# Altium PCB Proto_Lolek.PcbDoc (part 1 of 2) (continued)
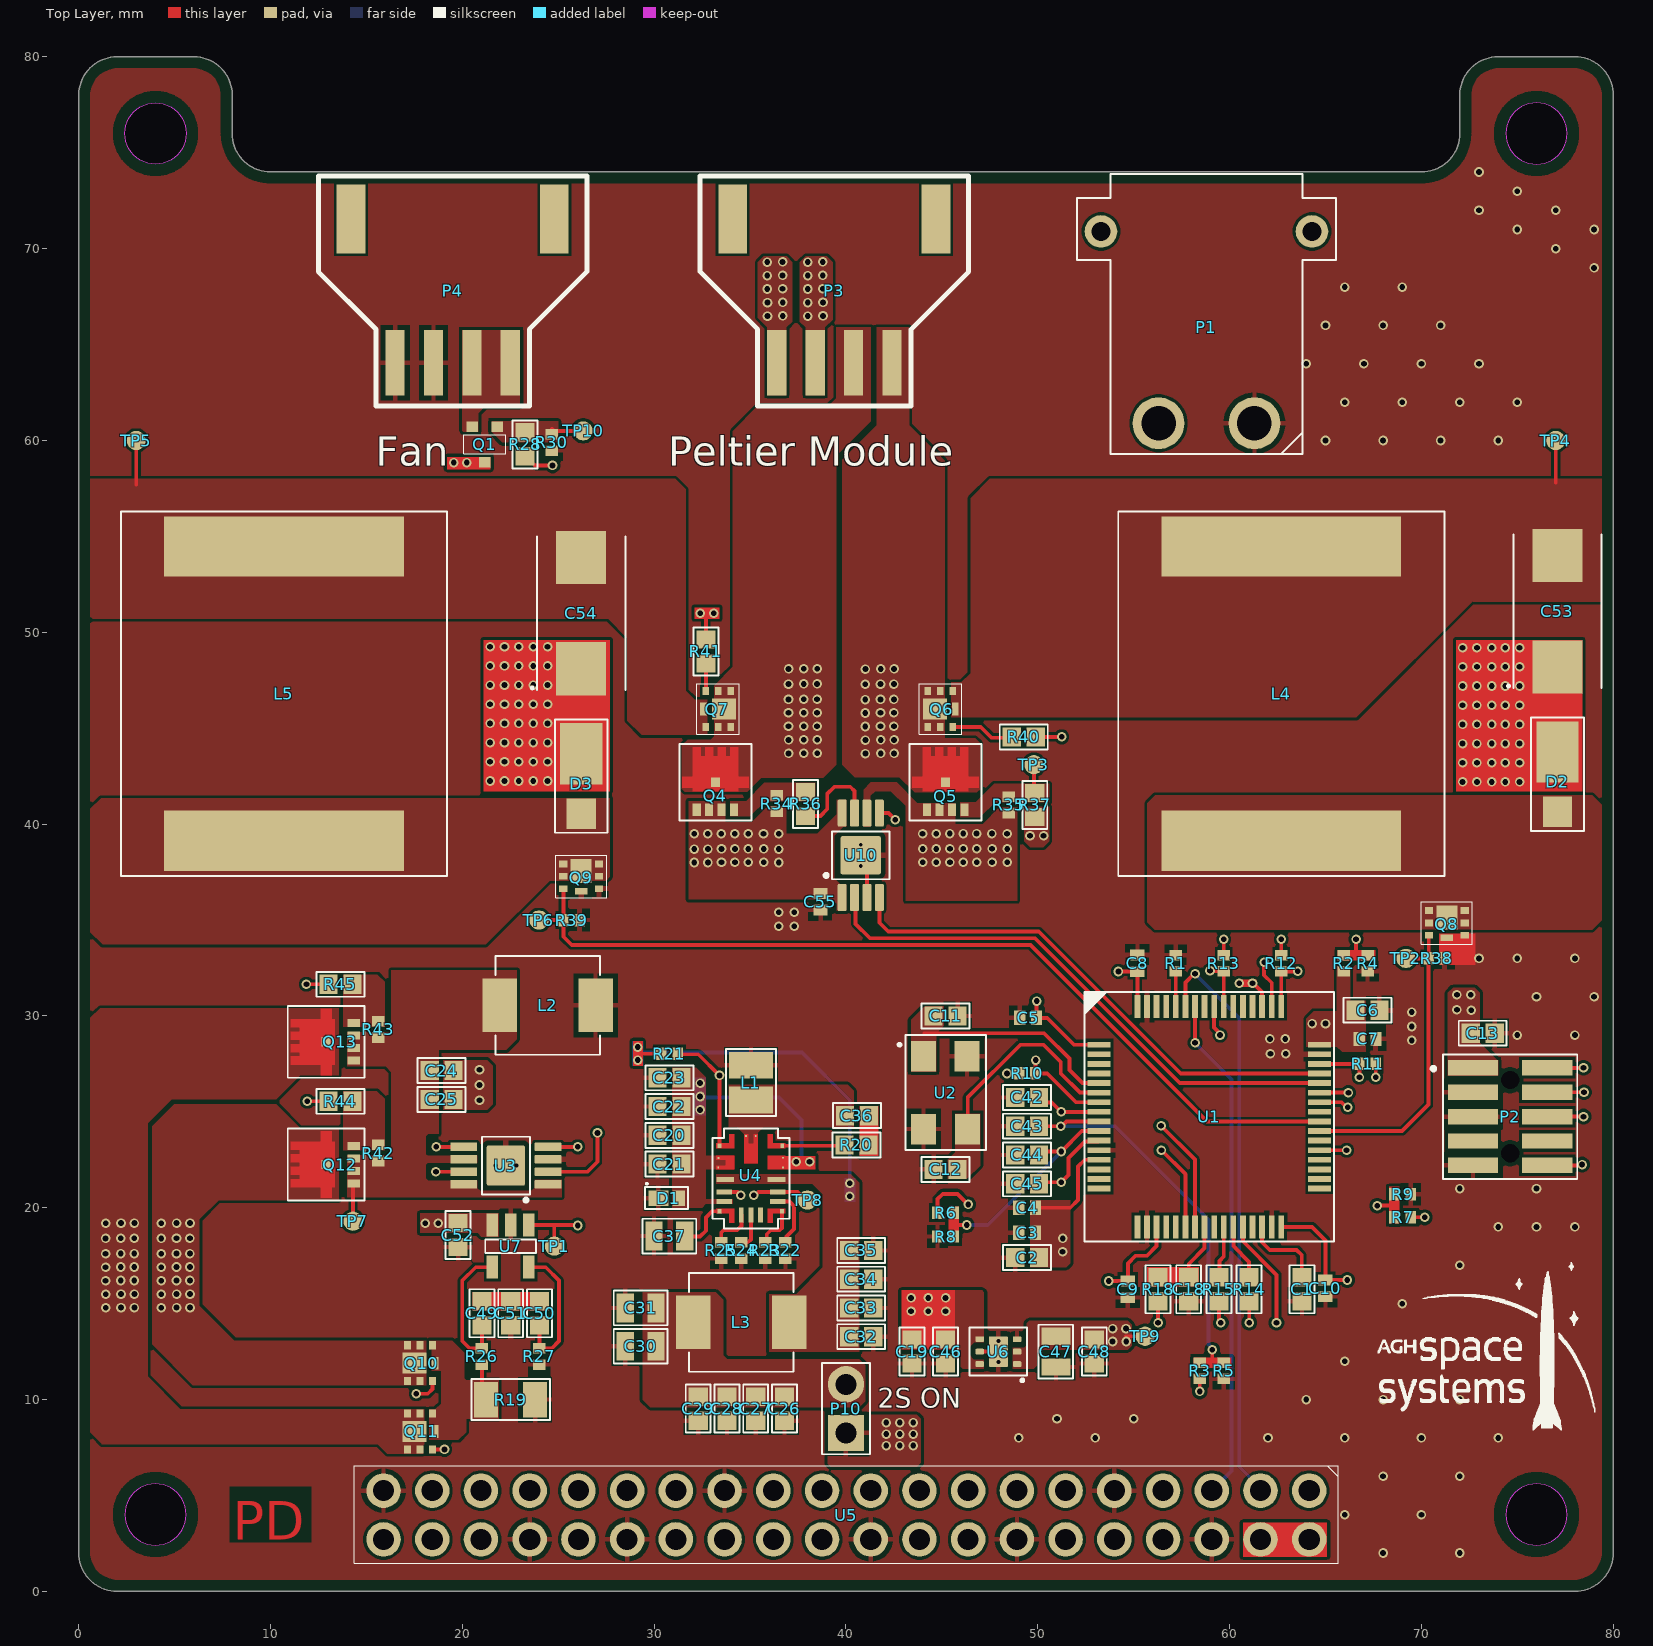
[diagram p0: Top Layer view]
## Design rules (kind name [scope] priority, off if disabled: settings)
AssemblyTestPointUsage [All] p1 off:
AssemblyTestpoint [All] p1 off: testpointundercomponent=TRUE minsize=1.016 maxsize=2.54 preferedsize=1.524 minholesize=0 maxholesize=1.016 preferedholesize=0.813 testpointgrid=0.025 usegrid=TRUE gridtolerance=0 allowsidetop=TRUE allowsidebottom=TRUE
BoardOutlineClearance BoardOutlineClearance_silk [OnLayer('Top Overlay') or OnLayer('Bottom Overlay')] p1: gap=0 ignorepadtopadclearanceinfootprint=FALSE
BoardOutlineClearance [All] p2: gap=0.6 ignorepadtopadclearanceinfootprint=FALSE
Clearance Clearance_HDI_BGA [TouchesRoom('BGA')] p1: gap=0.1 ignorepadtopadclearanceinfootprint=TRUE
Clearance Clearance_HDI [InNetClass('HDI') vs InNetClass('HDI')] p2: gap=0.15 ignorepadtopadclearanceinfootprint=TRUE except(0.2: Arc-Hole Track-Hole SMDPad-Hole THPad-Hole Via-Hole Fill-Hole Poly-Hole Region-Hole Text-Hole)
Clearance Clearance_HV [InNetClass('HV')] p3: gap=0.4 ignorepadtopadclearanceinfootprint=FALSE
Clearance Clearance_Internal [not (OnLayer('Top Shield') or OnLayer('Bottom Shield'))] p4: gap=0.15 ignorepadtopadclearanceinfootprint=TRUE except(0.2: Arc-Hole Track-Hole SMDPad-Hole THPad-Hole Via-Hole Fill-Hole Poly-Hole Region-Hole Text-Hole)
Clearance [All] p5: gap=0.25 ignorepadtopadclearanceinfootprint=TRUE
ComponentClearance [(CompPinCount > 1) vs (CompPinCount > 1)] p1: gap=0.5 collisioncheckmode=3 verticalgap=0.5 showdistances=FALSE
ComponentOrientations [All] p1: allowedrotations=27
FabricationTestPointUsage [All] p1 off: valid=0 allowmultiple=FALSE
FabricationTestpoint [All] p1 off: side=3 testpointundercomponent=TRUE minsize=1.016 maxsize=2.54 preferedsize=1.524 minholesize=0 maxholesize=1.016 preferedholesize=0.813 testpointgrid=0.025 allowsidetop=TRUE allowsidebottom=TRUE usegrid=TRUE gridtolerance=0
Height [All] p1: minheight=0 maxheight=50 prefheight=10
HoleSize [All] p1: absolutevalues=TRUE maxlimit=5.2 minlimit=0.2 maxpercent=80.000 minpercent=20.000
HoleToHoleClearance [All] p1: gap=0.3 allowstackedmicrovias=FALSE
MinimumAnnularRing MinimumAnnularRing_PTH [IsThruPin] p1: minimumring=0.1
MinimumAnnularRing MinimumAnnularRing_HDI [InNetClass('HDI') or TouchesRoom('BGA')] p2: minimumring=0.1
MinimumAnnularRing [All] p3: minimumring=0.1
MinimumSolderMaskSliver [All] p1: minsoldermaskwidth=0.09
PlaneClearance [All] p1: clearance=0.5
PlaneConnect [All] p1: pad.planeconnectstyle=Relief pad.reliefexpansion=0.5 pad.reliefentries=4 pad.reliefconductorwidth=0.25 pad.reliefairgap=0.25 via.planeconnectstyle=Direct via.reliefexpansion=0.508 via.reliefentries=4 via.reliefconductorwidth=0.254 via.reliefairgap=0.254
PolygonConnect PolygonConnect_GND [InNet('GND')] p1: thpad.connectstyle=Relief thpad.reliefconductorwidth=0.25 thpad.reliefentries=4 thpad.polygonreliefangle="90 Angle" thpad.airgapwidth=0.25 smdpad.connectstyle=Relief smdpad.reliefconductorwidth=0.25 smdpad.reliefentries=4 smdpad.polygonreliefangle="90 Angle" smdpad.airgapwidth=0.25 via.connectstyle=Direct via.reliefconductorwidth=0.254 via.reliefentries=4 via.polygonreliefangle="90 Angle" via.airgapwidth=0.254
PolygonConnect PolygonConnect_1 [All] p2: thpad.connectstyle=Relief thpad.reliefconductorwidth=0.254 thpad.reliefentries=4 thpad.polygonreliefangle="90 Angle" thpad.airgapwidth=0.254 smdpad.connectstyle=Direct smdpad.reliefconductorwidth=0.254 smdpad.reliefentries=4 smdpad.polygonreliefangle="90 Angle" smdpad.airgapwidth=0.254 via.connectstyle=Direct via.reliefconductorwidth=0.254 via.reliefentries=4 via.polygonreliefangle="90 Angle" via.airgapwidth=0.254
RoomDefinition U_Peltier_1s [InComponentClass('U_Peltier_1s')] p1: confinementstyle=ConfineOut formatcopy=TRUE lockcomponents=FALSE outline 117.794,73.1 168.594,73.1 168.594,98.5 117.794,98.5
RoomDefinition U_Peltier [InComponentClass('U_Peltier')] p2: confinementstyle=ConfineOut formatcopy=TRUE lockcomponents=FALSE outline 117.894,45.7 168.694,45.7 168.694,71.1 117.894,71.1
RoomDefinition U_Temp_NTC [InComponentClass('U_Temp_NTC')] p3: confinementstyle=ConfineOut formatcopy=TRUE lockcomponents=FALSE outline 177.694,76.5 228.494,76.5 228.494,101.9 177.694,101.9
RoomDefinition U_MCU_Supply [InComponentClass('U_MCU_Supply')] p4: confinementstyle=ConfineOut formatcopy=TRUE lockcomponents=FALSE outline 118.994,17.8 169.794,17.8 169.794,43.2 118.994,43.2
RoomDefinition U_MCU_Init [InComponentClass('U_MCU_Init')] p5: confinementstyle=ConfineOut formatcopy=TRUE lockcomponents=FALSE outline 120.094,-11.2 170.894,-11.2 170.894,14.2 120.094,14.2
RoomDefinition U_MCU_GPIO [InComponentClass('U_MCU_GPIO')] p6: confinementstyle=ConfineOut formatcopy=TRUE lockcomponents=FALSE outline 177.294,-11.9 228.094,-11.9 228.094,13.5 177.294,13.5
RoomDefinition U_Fan_Control [InComponentClass('U_Fan_Control')] p7: confinementstyle=ConfineOut formatcopy=TRUE lockcomponents=FALSE outline 177.294,16.7 228.094,16.7 228.094,42.1 177.294,42.1
RoomDefinition U_Current_Measurement [InComponentClass('U_Current_Measurement')] p8: confinementstyle=ConfineOut formatcopy=TRUE lockcomponents=FALSE outline 178.294,47.1 229.094,47.1 229.094,72.5 178.294,72.5
RoomDefinition U_Connectors [InComponentClass('U_Connectors')] p9: confinementstyle=ConfineOut formatcopy=TRUE lockcomponents=FALSE outline 232.194,-3.5 237.594,-3.5 237.594,5.8 232.194,5.8
RoutingVias [All] p1: holewidth=0.4 width=0.8 viastyle="Through Hole" minholewidth=0.2 minwidth=0.4 maxholewidth=0.5 maxwidth=1
SilkToSilkClearance [All] p1: silktosilkclearance=0
SilkToSolderMaskClearance [IsPad] p1: minsilkscreentomaskgap=0.1 clearancetoexposedcopper=TRUE
SolderMaskExpansion [All] p1: expansion=0.05 istentingtop=FALSE
UnRoutedNet [All] p1: checkbadconnections=TRUE
Width Width_FinePitch_BGA [(InNetClass('FinePitch') or InNetClass('HDI')) and  TouchesRoom('BGA')] p1: maxlimit=2 minlimit=0.1 preferedwidth=0.1
Width Width_FinePitch [InNetClass('FinePitch') or InNetClass('HDI')] p2: maxlimit=2 minlimit=0.15 preferedwidth=0.15
Width [All] p3: maxlimit=2 minlimit=0.2 preferedwidth=0.2
16 further rules are at their usual default settings.

## Classes and differential pairs
component class U_Temp_NTC: R2 R3 R4 R5 R6 R7 R8 R9
component class U_Peltier: C20 C21 C22 C23 C24 C25 C26 C27 C28 C29 C30 C31 C32 C33 C34 C35 C36 C37 D1 L1 L2 L3 P10 Q10 Q11 Q12 Q13 R14 R15 R20 R21 R22 R23 R24 R25 R42 R43 R44 R45 TP7 TP8 U3 U4
component class U_Peltier_1s: C53 C54 C55 D2 D3 L4 L5 Q4 Q5 Q6 Q7 Q8 Q9 R34 R35 R36 R37 R38 R39 R40 R41 TP2 TP3 TP4 TP5 TP6 U10
component class U_MCU_Supply: C19 C46 C47 C48 TP9 U6
component class U_MCU_Init: C1 C2 C3 C4 C5 C6 C7 C8 C9 C10 C11 C12 R1 U1 U2
component class U_MCU_GPIO: C18 C42 C43 C44 C45 R18
component class U_Fan_Control: P4 Q1 R28 R30 TP10
component class U_Current_Measurement: C49 C50 C51 C52 R19 R26 R27 TP1 U7
component class U_Connectors: C13 P1 P2 P3 R10 R11 R12 R13 U5

## Components (designator, comment, footprint, x,y, rotation, side; value= is the part's Value field where it differs from the comment)
C1 "C" C_0603 63.769,15.75 r270 top value=4.7uF
C2 "C" C_0603 49.444,17.4 r180 top value=1uF
C3 "C" C_0402 49.444,18.7 r180 top value=100nF
C4 "C" C_0402 49.444,20 r180 top value=100nF
C5 "C" C_0402 49.494,29.9 r180 top value=100nF
C6 "C" C_0603 67.194,30.3 r0 top value=4.7uF
C7 "C" C_0402 67.194,28.8 r0 top value=100nF
C8 "C" C_0402 55.194,32.75 r90 top value=100nF
C9 "C" C_0402 54.694,15.75 r270 top value=100nF
C10 "C" C_0402 64.994,15.8 r270 top value=100nF
C11 "C" C_0603 45.194,30 r0 top value=22pF
C12 "C" C_0603 45.194,22 r180 top value=22pF
C13 "C" C_0603 73.194,29.1 r0 top value=100nF
C18 "C" C_0603 57.869,15.75 r270 top value=1nF
C19 "C" C_0603 43.444,12.5 r270 top value=1uF
C20 "C" C_0603 30.794,23.775 r0 top value=4.7uF
C21 "C" C_0603 30.794,22.275 r0 top value=4.7uF
C22 "C" C_0603 30.794,25.275 r0 top value=1nF
C23 "C" C_0603 30.794,26.775 r0 top value=1nF
C24 "C" C_0603 18.919,27.15 r0 top value=1nF
C25 "C" C_0603 18.919,25.65 r0 top value=1nF
C26 "C" C_0603 36.794,9.525 r270 top value=22nF
C27 "C" C_0603 35.294,9.525 r270 top value=22nF
C28 "C" C_0603 33.794,9.525 r270 top value=22nF
C29 "C" C_0603 32.294,9.525 r270 top value=22nF
C30 "C" C_0805 29.294,12.775 r180 top value=10uF
C31 "C" C_0805 29.294,14.775 r180 top value=10uF
C32 "C" C_0603 40.794,13.275 r0 top value=4.7uF
C33 "C" C_0603 40.794,14.775 r0 top value=4.7uF
C34 "C" C_0603 40.794,16.275 r0 top value=100nF
C35 "C" C_0603 40.794,17.775 r0 top value=100nF
C36 "C" C_0603 40.569,24.8 r180 top value=100nF
C37 "C" C_0805 30.794,18.525 r180 top value=10uF
C42 "C" C_0603 49.444,25.75 r180 top value=1nF
C43 "C" C_0603 49.444,24.25 r180 top value=1nF
C44 "C" C_0603 49.444,22.75 r180 top value=1nF
C45 "C" C_0603 49.444,21.25 r180 top value=1nF
C46 "C" C_0603 45.194,12.5 r270 top value=100nF
C47 "C" C_0805 50.944,12.5 r270 top value=2.2uF
C48 "C" C_0603 52.944,12.5 r270 top value=100nF
C49 "C" C_0603 21.019,14.5 r90 top value=100nF
C50 "C" C_0603 24.019,14.5 r270 top value=100nF
C51 "C" C_0603 22.519,14.5 r270 top value=10nF
C52 "C" C_0603 19.769,18.575 r270 top value=100nF
C53 "C_Pol" CT_X 77.094,51.1 r90 top value=470uF
C54 "C_Pol" CT_X 26.194,51 r90 top value=470uF
C55 "C" C_0402 38.669,35.95 r270 top value=100nF
D1 "D_SHOTTKY" D_SOD_1608 30.644,20.5 r180 top value=PMEG4015EPK
D2 "D_SHOTTKY" D_DO_221BC 77.094,42.6 r90 top value=V8PAM10SHM3/I
D3 "D_SHOTTKY" D_DO_221BC 26.194,42.5 r90 top value=V8PAM10SHM3/I
L1 "L_Core" L_1008_05 35.044,26.525 r90 top value=3.3uH
L2 "L_Core" L_2020 24.444,30.55 r180 top value=220nH
L3 "L_Core" L_2020 34.544,14.025 r0 top value=4.7uH
L4 "L_Core" L_SRP1770 62.694,46.8 r270 top value=56uH
L5 "L_Core" L_SRP1770 10.694,46.8 r270 top value=56uH
P1 "P_Header_2" XT30_ANGL 58.794,60.9 r90 top value="XT30 Angle"
P2 "P_Header_10" CONN_M50_3610542 74.626,24.75 r270 top value=M50-3610542
P3 "P_Header_4" CONN_114020164 39.394,67.8 r180 top locked value=114020164
P4 "P_Header_4" CONN_114020164 19.494,67.8 r180 top value=114020164
P10 "P_Header_2" GOLDPIN_2 40,9.525 r180 top value=77311-818-02LF
Q1 "Q_NMOSFET" SOT323 21.17,59.8 r90 top value=PMF250XNEX
Q4 "Q_PMOSFET" WDFN_8 33.194,42.185 r180 top value=PXP6R1-30QLJ
Q5 "Q_PMOSFET" WDFN_8 45.194,42.18 r180 top value=PXP6R1-30QLJ
Q6 "Q_NMOSFET" SOT_1220 45.694,46 r270 top value=BUK6D22-30EX
Q7 "Q_NMOSFET" SOT_1220 32.569,46 r90 top value=BUK6D22-30EX
Q8 "Q_NMOSFET" SOT_1220 71.324,34.075 r180 top value=BUK6D22-30EX
Q9 "Q_NMOSFET" SOT_1220 26.194,36.5 r180 top value=BUK6D22-30EX
Q10 "Q_NMOSFET" UDFN_6_3123 17.794,11.9 r90 top value=PMPB95ENEAX
Q11 "Q_NMOSFET" UDFN_6_3123 17.794,8.335 r90 top value=PMPB95ENEAX
Q12 "Q_PMOSFET" WDFN_8 12.894,22.25 r270 top value=PXP6R1-30QLJ
Q13 "Q_PMOSFET" WDFN_8 12.894,28.65 r270 top value=PXP6R1-30QLJ
R1 "R" R_0402 57.194,32.75 r270 top value=10k
R2 "R" R_0402 65.944,32.75 r90 top value=4.75k
R3 "R" R_0402 58.444,11.5 r90 top value=4.75k
R4 "R_B572xxV5" R_0402 67.194,32.75 r270 top value=B57232V5103F360
R5 "R_B572xxV5" R_0402 59.694,11.5 r270 top value=B57232V5103F360
R6 "R" R_0402 45.194,19.75 r0 top value=4.75k
R7 "R" R_0402 69.019,19.5 r180 top value=4.75k
R8 "R_B572xxV5" R_0402 45.194,18.5 r180 top value=B57232V5103F360
R9 "R_B572xxV5" R_0402 69.019,20.7 r0 top value=B57232V5103F360
R10 "R" R_0402 49.444,27 r0 top value=1k
R11 "R" R_0402 67.194,27.5 r180 top value=1k
R12 "R" R_0402 62.694,32.75 r270 top value=1k
R13 "R" R_0402 59.694,32.75 r270 top value=1k
R14 "R" R_0603 61.019,15.75 r270 top value=10R
R15 "R" R_0603 59.444,15.75 r90 top value=10R
R18 "R" R_0603 56.269,15.75 r90 top value=10R
R19 "R" R_1206 22.519,10 r0 top value=4mR
R20 "R" R_0603 40.544,23.275 r0 top value=20R
R21 "R" R_0402 30.794,28.025 r0 top value=100k
R22 "R_B572xxV5" R_0402 36.844,17.775 r270 top value=B57232V5103F360
R23 "R" R_0402 35.794,17.775 r270 top value=4.87k
R24 "R" R_0402 34.544,17.775 r270 top value=13.3k
R25 "R" R_0402 33.494,17.775 r270 top value=2.32k
R26 "R" R_0402 21.019,12.25 r90 top value=100R
R27 "R" R_0402 24.019,12.25 r90 top value=100R
R28 "R" R_0603 23.27,59.8 r90 top value=10R
R30 "R" R_0402 24.67,59.9 r270 top value=47k
R34 "R" R_0402 36.394,41.075 r90 top value=47k
R35 "R" R_0402 48.494,41 r90 top value=47k
R36 "R" R_0603 37.894,41.05 r90 top value=10R
R37 "R" R_0603 49.844,41 r270 top value=10R
R38 "R" R_0402 70.794,33 r0 top value=47k
R39 "R" R_0402 25.694,35 r0 top value=47k
R40 "R" R_0603 49.269,44.55 r0 top value=10R
R41 "R" R_0603 32.694,49 r90 top value=10R
R42 "R" R_0402 15.619,22.85 r90 top value=47k
R43 "R" R_0402 15.619,29.3 r90 top value=47k
R44 "R" R_0603 13.644,25.55 r0 top value=10R
R45 "R" R_0603 13.644,31.65 r180 top value=10R
TP1 "TP_TestPoint" TP_01#1 24.794,17.9 r0 top value=TP
TP2 "TP_TestPoint" TP_01#2 69.194,33 r90 top value=TP
TP3 "TP_TestPoint" TP_01#2 49.794,43.1 r90 top value=TP
TP4 "TP_TestPoint" TP_01#3 77.194,60.4 r90 top value=TP
TP5 "TP_TestPoint" TP_01#4 3.294,60.8 r90 top value=TP
TP6 "TP_TestPoint" TP_01#2 23.994,35 r90 top value=TP
TP7 "TP_TestPoint" TP_01#2 14.294,19.3 r90 top value=TP
TP8 "TP_TestPoint" TP_01#2 37.994,20.4 r0 top value=TP
TP9 "TP_TestPoint" TP_01#2 55.594,13.3 r90 top value=TP
TP10 "TP_TestPoint" TP_01#2 26.3,60.5 r180 top value=TP
U1 "MCU_STM32F446RET6" LQFP64 58.944,24.75 r270 top locked value=STM32F446RET6
U2 "CLK_Crystal_4" CLK_ABM3BAIG_8_1Z_T 45.194,26 r270 top value=ABM3BAIG-8.000MHZ-1Z-T
U3 "IC_UCC27423_Q1" MSOP_8 22.269,22.2 r90 top value=UCC27423QDGNRQ1
U4 "IC_MP7200" QFN_19 35.044,21.525 r180 top value=MP7200GLE-P
U5 "M_Raspberry_Pi_4B" CONN_Raspberry_Pi 40,4 r180 top value="Raspberry Pi Conn"
U6 "IC_TLV76733DRVR" WSON_6 47.944,12.5 r180 top value=TLV76733DRVR
U7 "IC_INA281B_Q1" SOT_23_5 22.519,18 r270 top value=INA281B5QDBVRQ1
U10 "IC_UCC27423_Q1" MSOP_8 40.769,38.375 r0 top value=UCC27423QDGNRQ1

## Footprints (in the part's own frame and the unit in brackets; to place one, negate y for a bottom-side part, rotate by r counter-clockwise, add the part's x,y. Pads: shape width x height; smd on the part's side, far side on the other; paste and mask are expansions set on the pad)
C_0402 [mm]
  rect 0.585x0.75 smd paste-0.017: 1(-0.433,0) 2(0.433,0)
  body extent -0.52,-0.27 0.53,0.28, height 0.55
C_0603 [mm]
  rect 0.95x1 smd: 1(-0.625,0) 2(0.625,0)
  silkscreen extent -1.25,-0.65 1.25,0.65, body extent -0.8,-0.4 0.8,0.4, height 0.8
C_0805 [mm]
  rect 0.9x1.5 smd: 1(-0.8,0) 2(0.8,0)
  silkscreen extent -1.4,-0.9 1.4,0.9, body extent -1.1,-0.73 1.1,0.72, height 0.88
CLK_ABM3BAIG_8_1Z_T [mm]
  rect 1.6x1.3 smd: 1(-1.9,-1.15) 2(-1.9,1.115) 2(1.9,-1.15) 3(1.9,1.15)
  silkscreen extent -3,-2.42 3,2.1, body extent -2.5,-1.6 2.5,1.6, height 0.9
CONN_114020164 [mm]
  rect 1x3.4 smd: 1(-3,3.75) 2(-1,3.75) 3(1,3.75) 4(3,3.75)
  rect 1.5x3.6 smd: ""(-5.3,-3.75) ""(5.3,-3.75)
  silkscreen extent -7,-6 7,6
CONN_M50_3610542 [mm]
  rect 0.8x2.62 smd: 1(-2.54,-1.94) 2(-2.54,1.94) 3(-1.27,-1.94) 4(-1.27,1.94) 5(0,-1.94) 6(0,1.94) 7(1.27,-1.94) 8(1.27,1.94) 9(2.54,-1.94) 10(2.54,1.94)
  round 0.5 hole 0.95 unplated: ""(-1.905,0) ""(1.905,0)
  silkscreen extent -3.25,-4.07 3.25,3.5, body extent -3.13,-2.75 3.22,2.75, height 4.7
CONN_Raspberry_Pi [mm]
  round 1.8 hole 1.1: 1(-24.15,-1.25) 2(-24.15,1.29) 3(-21.61,-1.25) 4(-21.61,1.29) 5(-19.07,-1.25) 6(-19.07,1.29) 7(-16.53,-1.25) 8(-16.53,1.29) 9(-13.99,-1.25) 10(-13.99,1.29) 11(-11.45,-1.25) 12(-11.45,1.29) 13(-8.91,-1.25) 14(-8.91,1.29) 15(-6.37,-1.25) 16(-6.37,1.29) 17(-3.83,-1.25) 18(-3.83,1.29) 19(-1.29,-1.25) 20(-1.29,1.29) 21(1.25,-1.25) 22(1.25,1.29) 23(3.79,-1.25) 24(3.79,1.29) 25(6.33,-1.25) 26(6.33,1.29) 27(8.87,-1.25) 28(8.87,1.29) 29(11.41,-1.25) 30(11.41,1.29) 31(13.95,-1.25) 32(13.95,1.29) 33(16.49,-1.25) 34(16.49,1.29) 35(19.03,-1.25) 36(19.03,1.29) 37(21.57,-1.25) 38(21.57,1.29) 39(24.11,-1.25) 40(24.11,1.29)
  silkscreen extent -25.65,-2.54 25.65,2.54, body extent -25.65,-2.54 25.65,2.54, height 2.35
CT_X [mm]
  rect 2.77x2.6 smd: 1(-2.9,0) 2(2.9,0)
  silkscreen extent -4,-2.3 4,2.6, body extent -3.8,-2.3 3.8,2.3, height 4.31
D_DO_221BC [mm]
  rect 1.6x1.52 smd: 1(-1.96,0)
  rect 3.2x2.2 smd: 2(1.16,0)
  silkscreen extent -2.95,-1.38 2.95,1.38, body extent -2.6,-1.3 2.6,1.3, height 0.98
D_SOD_1608 [mm]
  rect 0.65x0.8 smd paste-0.05: 1(-0.625,0)
  rect 1.05x0.8 smd paste-0.05: 2(0.425,0)
  silkscreen extent -1.12,-0.8 1.12,0.58, body extent -0.8,-0.4 0.8,0.4, height 0.35
GOLDPIN_2 [mm]
  rect 1.9x1.9 hole 1.1: 1(0,1.27)
  round 1.9 hole 1.1: 2(0,-1.27)
  silkscreen extent -1.25,-2.37 1.25,2.37, body extent -1.2,-2.34 1.21,2.34, height 8.4
L_1008_05 [mm]
  rect 1.4x2.3 smd: 1(-0.9,0) 2(0.9,0)
  silkscreen extent -1.75,-1.3 1.75,1.3, body extent -1.25,-1 1.25,1, height 1.2
L_2020 [mm]
  rect 1.8x2.8 smd: 1(-2.5,0) 2(2.5,0)
  silkscreen extent -2.73,-2.58 2.73,2.58, body extent -2.73,-2.57 2.73,2.57, height 2.84
L_SRP1770 [mm]
  rect 3.15x12.5 smd: 1(-7.675,0) 2(7.675,0)
  silkscreen extent -9.5,-8.5 9.5,8.5, body extent -8.7,-8.45 8.7,8.45, height 6.7
LQFP64 [mm]
  rect 0.3x1.2 smd: 1(-3.75,-5.75) 2(-3.25,-5.75) 3(-2.75,-5.75) 4(-2.25,-5.75) 5(-1.75,-5.75) 6(-1.25,-5.75) 7(-0.75,-5.75) 8(-0.25,-5.75) 9(0.25,-5.75) 10(0.75,-5.75) 11(1.25,-5.75) 12(1.75,-5.75) 13(2.25,-5.75) 14(2.75,-5.75) 15(3.25,-5.75) 16(3.75,-5.75) 33(3.75,5.75) 34(3.25,5.75) 35(2.75,5.75) 36(2.25,5.75) 37(1.75,5.75) 38(1.25,5.75) 39(0.75,5.75) 40(0.25,5.75) 41(-0.25,5.75) 42(-0.75,5.75) 43(-1.25,5.75) 44(-1.75,5.75) 45(-2.25,5.75) 46(-2.75,5.75) 47(-3.25,5.75) 48(-3.75,5.75)
  rect 1.2x0.3 smd: 17(5.75,-3.75) 18(5.75,-3.25) 19(5.75,-2.75) 20(5.75,-2.25) 21(5.75,-1.75) 22(5.75,-1.25) 23(5.75,-0.75) 24(5.75,-0.25) 25(5.75,0.25) 26(5.75,0.75) 27(5.75,1.25) 28(5.75,1.75) 29(5.75,2.25) 30(5.75,2.75) 31(5.75,3.25) 32(5.75,3.75) 49(-5.75,3.75) 50(-5.75,3.25) 51(-5.75,2.75) 52(-5.75,2.25) 53(-5.75,1.75) 54(-5.75,1.25) 55(-5.75,0.75) 56(-5.75,0.25) 57(-5.75,-0.25) 58(-5.75,-0.75) 59(-5.75,-1.25) 60(-5.75,-1.75) 61(-5.75,-2.25) 62(-5.75,-2.75) 63(-5.75,-3.25) 64(-5.75,-3.75)
  silkscreen extent -6.5,-6.5 6.5,6.5, body extent -6.01,-6.01 6.01,6.01, height 1.6
MSOP_8 [mm]
  rrect22% 0.45x1.4 smd mask+0.05: 1(-0.975,-2.2) 2(-0.325,-2.2) 3(0.325,-2.2) 4(0.975,-2.2) 5(0.975,2.2) 6(0.325,2.2) 7(-0.325,2.2) 8(-0.975,2.2)
  rrect10% 2.1x2 smd paste-0.05 mask-0.05: 9(0,0)
  silkscreen extent -1.86,-1.25 1.5,1.25, body extent -1.5,-2.45 1.5,2.45, height 1.1
QFN_19 [mm]
  rect 0.2x0.22 smd: 1(-1.615,1.705) 7(-1.636,-1.704) 10(1.641,-1.702) 16(1.641,1.705)
  rect 0.8x0.25 smd: 2(-1.4,1.2) 3(-1.4,0.7) 14(1.4,0.7) 15(1.4,1.2)
  rect 0.925x0.25 smd: 4(-1.338,0.05) 13(1.338,0.05)
  rect 0.1x0.1 smd: 5(-1.682,-0.574) 6(-1.679,-1.079) 8(-0.253,-2.22) 9(0.253,-2.223) 11(1.689,-1.075) 12(1.705,-0.57)
  rect 0.25x0.8 smd: 17(0.5,1.9) 18(0,1.9) 19(-0.5,1.9)
  Top Layer region: 0.35,-0.8 -0.35,-0.8 -0.35,-2.3 -0.15,-2.3 -0.15,-1.8 0.15,-1.8 0.15,-2.3 0.35,-2.3 0.15,-2.3 0.35,-2.3
  Top Layer region: -0.875,-2.3 -0.875,-1.575 -1.8,-1.575 -1.8,-1.825 -1.125,-1.825 -1.125,-2.3
  Top Layer region: 0.875,-2.3 0.875,-1.575 1.8,-1.575 1.8,-1.825 1.125,-1.825 1.125,-2.3
  Top Layer region: 0.875,2.3 0.875,1.575 1.8,1.575 1.8,1.825 1.125,1.825 1.125,2.3
  Top Layer region: -0.875,2.3 -0.875,1.575 -1.8,1.575 -1.8,1.825 -1.125,1.825 -1.125,2.3
  Top Layer region: 1.8,-1.175 0.875,-1.175 0.875,-0.475 1.8,-0.475 1.8,-0.675 1.3,-0.675 1.3,-0.975 1.8,-0.975 1.8,-0.975
  Top Layer region: -1.8,-1.175 -0.875,-1.175 -0.875,-0.475 -1.8,-0.475 -1.8,-0.675 -1.3,-0.675 -1.3,-0.975 -1.8,-0.975 -1.8,-0.975
  silkscreen extent -2,-2.6 2,2.6
R_0402 [mm]
  rect 0.55x0.65 smd paste-0.04: 1(-0.425,0) 2(0.425,0)
  body extent -0.5,-0.25 0.5,0.25, height 0.35
R_0603 [mm]
  rect 0.95x1 smd paste-0.038: 1(-0.625,0) 2(0.625,0)
  silkscreen extent -1.25,-0.65 1.25,0.65, body extent -0.77,-0.43 0.78,0.43, height 0.46
R_1206 [mm]
  rect 1.25x1.85 smd: 1(-1.275,0) 2(1.275,0)
  silkscreen extent -2.05,-1.07 2.05,1.07, body extent -1.6,-0.8 1.6,0.8, height 0.56
SOT323 [mm]
  rect 0.55x0.6 smd: 1(0.925,-0.65) 2(0.925,0.65) 3(-0.925,0)
  silkscreen extent -0.5,-1.1 0.5,1.1, body extent -1.12,-1.1 1.12,1.1, height 1.1
SOT_23_5 [mm]
  rect 1.2x0.6 smd: 1(-1.1,0.95) 2(-1.1,0) 3(-1.1,-0.95) 4(1.1,-0.95) 5(1.1,0.95)
  silkscreen extent -0.35,-1.33 0.35,1.33, body extent -1.4,-1.45 1.4,1.45, height 1.2
SOT_1220 [mm]
  rect 0.43x0.35 smd: 1(0.935,-0.125) 2(-0.935,-0.125) 3(-0.935,-1.425) 3(-0.935,-0.775) 3(0.935,-1.425) 3(0.935,-0.775)
  rect 0.66x0.35 smd: 2(0,0)
  rect 1.1x1.25 smd: 3(0,-1.06)
  silkscreen extent -1.33,-1.88 1.33,0.35, body extent -1,-1.78 1,0.22, height 0.65
TP_01#1 [mm]
  round 1 smd paste-0.6: 1(0,0.1)
TP_01#2 [mm]
  round 1 smd paste-0.6: 1(0,0)
TP_01#3 [mm]
  round 1 smd paste-0.6: 1(-0.4,0.194)
TP_01#4 [mm]
  round 1 smd paste-0.6: 1(-0.8,0.294)
UDFN_6_3123 [mm]
  rect 0.43x0.35 smd mask+0.025: 1(-0.935,-0.65) 2(0.935,-0.65) 3(-0.935,0) 3(-0.935,0.65) 3(0.935,0) 3(0.935,0.65)
  rect 0.66x0.35 smd mask+0.025: 2(0,-0.775)
  rect 1.1x1.25 smd mask+0.025: 3(0,0.285)
  body extent -1,-1 1,1, height 0.63
WDFN_8 [mm]
  rect 0.42x0.66 smd: 1(-0.975,1.435) 2(-0.325,1.435) 2(0.325,1.435) 2(0.975,1.435)
  rect 0.48x0.48 smd: 3(0,0)
  Top Layer region: -1.185,-1.835 -0.765,-1.835 -0.765,-1.365 -0.535,-1.365 -0.535,-1.835 -0.115,-1.835 -0.115,-1.365 0.115,-1.365 0.115,-1.835 0.535,-1.835 0.535,-1.365 0.765,-1.365 0.765,-1.835 1.185,-1.835 1.185,-0.285 1.73,-0.285 1.73,0.285 1.185,0.285 1.185,0.465 -1.185,0.465 -1.185,0.285 -1.73,0.285 -1.73,-0.285 -1.185,-0.285
  silkscreen extent -1.88,-2 1.88,2, body extent -1.65,-1.65 1.65,1.65, height 0.72
WSON_6 [mm]
  rrect40% 0.45x0.3 smd: 1(-0.975,0.65) 2(-0.975,0) 3(-0.975,-0.65) 4(0.975,-0.65) 5(0.975,0) 6(0.975,0.65)
  rrect12% 1x1.6 smd: 7(0,0)
  silkscreen extent -1.5,-1.25 1.5,1.55, body extent -1.01,-1 1.01,1, height 0.8
XT30_ANGL [mm]
  round 2.7 hole 1.8: 1(0,2.5) 2(0,-2.5)
  round 1.7 hole 1: ""(10,-5.5) ""(10,5.5)
  silkscreen extent -1.6,-6.75 13,6.75, body extent -1,-6.65 12.95,6.65, height 5

## Part data
C1 C6 C20 C21 C32 C33: library part C_4.7uF_25V_0603, "Capacitor", Dielectric=X5R, Manufacturer=TDK, Manufacturer Part Number=C1608X5R1E475K080AC, Supplier Part Number 1=810-C1608X5R1E475K, Tolerance=10%, Voltage=25V, Fail Rate=A, Grade=3, HelpURL=https://product.tdk.com/system/files/dam/doc/product/capacitor/ceramic/mlcc/catalog/mlcc_commercial_general_en.pdf, Part Number=C_4.7uF_25V_0603, Status=Active, Supplier 1=Mouser, Tmax=85, Tmin=-55
C2 C19: library part C_1uF_25V_0603, "Capacitor", Dielectric=X7R, Manufacturer=Murata, Manufacturer Part Number="C0603T222K5RAC7867 / GCJ188R71E105KA01D", Supplier Part Number 1=81-GCJ188R71E105KA1D, Tolerance=10%, Voltage=25V, Fail Rate=A, Grade=2, HelpURL=https://www.murata.com/en-eu/api/pdfdownloadapi?cate=luCeramicCapacitorsSMD&partno=GCJ188R71E105KA01%23, Part Number=C_1uF_25V_0603, Status=Active, Supplier 1=Mouser, Tmax=125, Tmin=-55
C3 C4 C5 C7 C8 C9 C10 C55: library part C_100nF_16V_0402, "Capacitor", Dielectric=X7R, Manufacturer=Kemet, Manufacturer Part Number=C0402T104K4RAC7867, Supplier Part Number 1=399-17387-1-ND, Tolerance=10%, Voltage=16V, Fail Rate=A, Grade=2, HelpURL=https://api.kemet.com/component-edge/download/specsheet/C0402T104K4RACTU.pdf, Part Number=C_100nF_16V_0402, Status=Active, Supplier 1=Digi-Key, Supplier 2=Mouser, Supplier Part Number 2=80-C0402T104K4RACTU, Tmax=125, Tmin=-55
C11 C12: library part C_22pF_50V_0603, "Capacitor", Dielectric=C0G, Manufacturer=Kemet, Manufacturer Part Number=C0603T220J5GAC7867, Supplier Part Number 1=399-20427-1-ND, Tolerance=5%, Voltage=50V, Fail Rate=A, Grade=2, HelpURL=https://content.kemet.com/datasheets/KEM_C1026_C0G_COTS_SMD.pdf, Part Number=C_22pF_50V_0603, Status=Active, Supplier 1=Digi-Key, Tmax=125, Tmin=-55
C13 C34 C35 C36 C46 C48 C49 C50 C52: library part C_100nF_50V_0603, "Capacitor", Dielectric=X7R, Manufacturer=Kemet, Manufacturer Part Number=C0603T104K5RCL7136, Supplier Part Number 1=399-6305-1-ND, Tolerance=10%, Voltage=50V, Fail Rate=A, Grade=2, HelpURL=https://content.kemet.com/datasheets/KEM_C1027_X7R_COTS_SMD.pdf, Part Number=C_100nF_50V_0603, Status=Active, Supplier 1=Digi-Key, Tmax=125, Tmin=-55
C18 C22 C23 C24 C25 C42 C43 C44 C45: library part C_1nF_50V_0603, "Capacitor", Dielectric=C0G, Manufacturer=Kemet, Manufacturer Part Number=C0603T102J5GAC7867, Supplier Part Number 1=399-20423-1-ND, Tolerance=5%, Voltage=50V, Fail Rate=A, Grade=2, HelpURL=https://content.kemet.com/datasheets/KEM_C1026_C0G_COTS_SMD.pdf, Part Number=C_1nF_50V_0603, Status=Active, Supplier 1=Digi-Key, Tmax=125, Tmin=-55
C26 C27 C28 C29: library part C_22nF_50V_0603, "Capacitor", Dielectric=X7R, Manufacturer=Kemet, Manufacturer Part Number=C0603T223K5RAC7867, Supplier Part Number 1=399-20429-1-ND, Tolerance=10%, Voltage=50V, Fail Rate=A, Grade=2, HelpURL=https://content.kemet.com/datasheets/KEM_C1027_X7R_COTS_SMD.pdf, Part Number=C_22nF_50V_0603, Status=Active, Supplier 1=Digi-Key, Tmax=125, Tmin=-55
C30 C31 C37: library part C_10uF_25V_0805, "Capacitor", Dielectric=X7S, Manufacturer=TDK, Manufacturer Part Number=CGA4J1X7S1E106K125AC, Supplier Part Number 1=810-CGA4J1X7S1E106K1, Tolerance=10%, Voltage=25V, Fail Rate=A, Grade=2, HelpURL=https://product.tdk.com/system/files/dam/doc/product/capacitor/ceramic/mlcc/catalog/mlcc_automotive_general_en.pdf, Part Number=C_10uF_25V_0805, Status=Active, Supplier 1=Mouser, Tmax=125, Tmin=-55
C47: library part C_2.2uF_16V_0805, "Capacitor", Dielectric=X7R, Manufacturer=Kemet, Manufacturer Part Number=C0805T225K4RAL7800, Supplier Part Number 1=399-17975-6-ND, Tolerance=10%, Voltage=16V, Fail Rate=A, Grade=2, HelpURL=https://content.kemet.com/datasheets/KEM_C1027_X7R_COTS_SMD.pdf, Part Number=C_2.2uF_16V_0805, Status=Active, Supplier 1=Digi-Key, Tmax=125, Tmin=-55
C51: library part C_10nF_50V_0603, "Capacitor", Dielectric=C0G, Manufacturer=Kemet, Manufacturer Part Number=C0603T103J5RAC7867, Supplier Part Number 1=399-20387-1-ND, Tolerance=5%, Voltage=50V, Fail Rate=A, Grade=2, HelpURL=https://content.kemet.com/datasheets/KEM_C1027_X7R_COTS_SMD.pdf, Part Number=C_10nF_50V_0603, Status=Active, Supplier 1=Digi-Key, Tmax=125, Tmin=-55
C53 C54: library part CT_470uF_10V_X, Manufacturer=Kemet, Manufacturer Part Number=T491X477K010AT, RMS Power=165mW, Supplier Part Number 1=80-T491X477K010, Tolerance=10%, Voltage=10V, ESR=200mR, Fail Rate=B, Grade=1, HelpURL=https://connect.kemet.com:7667/gateway/IntelliData-ComponentDocumentation/1.0/download/datasheet/T491X477K010AT, Part Number=CT_470uF_10V_X, Status=Active, Supplier 1=Mouser, Tmax=125, Tmin=-55
D1: library part PMEG4015EPK, "40 V, 1.5 A low VF MEGA Schottky barrier rectifier", Forward current=1.5A, Manufacturer=Nexperia, Reverse voltage=40V, Supplier Part Number 1=771-PMEG4015EPK,315, Grade=2, HelpURL=https://assets.nexperia.com/documents/data-sheet/PMEG4015EPK.pdf, Manufacturer Part Number=PMEG4015EPK, Part Number=PMEG4015EPK, Status=Active, Supplier 1=Mouser, Tmax=150, Tmin=-55
D2 D3: library part V8PAM10SHM3/I, "Surface-Mount TMBS (Trench MOS Barrier Schottky) Rectifier", Forward current=8A, Manufacturer=Vishay, Reverse voltage=100V, Supplier Part Number 1=78-V8PAM10SHM3/I, Grade=2, HelpURL=https://www.vishay.com/docs/87013/v8pam10s.pdf, Manufacturer Part Number=V8PAM10SHM3/I, Part Number=V8PAM10SHM3/I, Status=Active, Supplier 1=Mouser, Tmax=175, Tmin=-40
L1: library part TFM252012ALVA3R3MTAA, "Shielded, soft-termination", Manufacturer=TDK, Max Current=2A, Supplier Part Number 1=810-TFM252012ALVA3R3, Tolerance=20%, ESR=140mR, Grade=2, HelpURL=https://product.tdk.com/en/system/files?file=dam/doc/product/inductor/inductor/smd/catalog/inductor_automotive_power_tfm252012alva_en.pdf, Manufacturer Part Number=TFM252012ALVA3R3MTAA, Part Number=TFM252012ALVA3R3MTAA, Status=Active, Supplier 1=Mouser, Tmax=150, Tmin=-55
L2: library part IHLP2020CZERR22M8A, "Shielded Inductors, High Temperature", Manufacturer=Vishay, Max Current=18A, Supplier Part Number 1=70-IHLP2020CZRR22M8A, Tolerance=20%, ESR=4.23mR, Grade=2, HelpURL=https://www.mouser.pl/datasheet/2/427/ihlp_2020cz_8a-2898337.pdf, Manufacturer Part Number=IHLP2020CZERR22M8A, Part Number=IHLP2020CZERR22M8A, Status=Active, Supplier 1=Mouser, Tmax=180, Tmin=-55
L3: library part IHLP2020CZER4R7M5A, "Shielded automotive Inductors, High Temperature", Manufacturer=Vishay, Manufacturer Part Number="IHLP2020CZER4R7M5A / IHLP2020CZER4R7M5A", Max Current=4.1A, Supplier Part Number 1=70-IHLP2020CZR4R7M5A, Tolerance=20%, ESR=78.3mR, Grade=2, HelpURL=https://www.vishay.com/docs/34384/lp20cz5a.pdf, Part Number=IHLP2020CZER4R7M5A, Status=Active, Supplier 1=Mouser, Supplier 2=Digi-Key, Supplier Part Number 2=541-IHLP2020CZER4R7M5ACT-ND, Tmax=155, Tmin=-55
L4 L5: library part SRP1770TA-560M, "Shielded automotive Inductors, High Temperature", Manufacturer=Bourns, Max Current=7.8A, Supplier Part Number 1=652-SRP1770TA-560M, Tolerance=20%, ESR=62mR, Grade=2, HelpURL=https://www.bourns.com/docs/Product-Datasheets/SRP1770TA.pdf, Manufacturer Part Number=SRP1770TA-560M, Part Number=SRP1770TA-560M, Status=Active, Supplier 1=Mouser, Tmax=150, Tmin=-40
P1: library part XT30-ANGLE, "XT30 Angle", Manufacturer=DFRobot, Manufacturer Part Number=XT30PW-M, Desc="XT30 Angle", Grade=3, HelpURL=https://www.tme.eu/Document/6eb2005a51a52592b3f19e8a450c54c8/XT30PW-M.pdf, Part Number=XT30-ANGLE, Status=Active, Supplier 1=TME, Supplier Part Number 1=XT30PW-M
P2: library part M50-3610542, "Goldpin", Manufacturer=Harwin, Supplier Part Number 1=855-M50-3610542, Desc=Goldpin, Grade=3, HelpURL=https://cdn.harwin.com/pdfs/M50-361.pdf, Manufacturer Part Number=M50-3610542, Part Number=M50-3610542, Status=Active, Supplier 1=Mouser, Tmax=105, Tmin=-40
P3 P4: library part 114020164, "Grove Female Header - SMD-4P-2.0mm", Manufacturer=SEEED, Supplier Part Number 1=713-114020164, Desc="Grove Female Header - SMD-4P-2.0mm", Grade=3, HelpURL=https://files.seeedstudio.com/products/114020164/res/Grove%20Female%20Header%20-%20SMD-4P-2.0mm-90D%20Datasheet.pdf, Manufacturer Part Number=114020164, Part Number=114020164, Status=Active, Supplier 1=Mouser
P10: library part 77311-818-02LF, "Goldpin", Manufacturer=AMPHENOL, Desc=Goldpin, Grade=3, HelpURL=https://cdn.amphenol-icc.com/media/wysiwyg/files/documentation/datasheet/boardwiretoboard/bwb_bergstik.pdf, Manufacturer Part Number=77311-818-02LF, Part Number=77311-818-02LF, Status=Active, Supplier 1=TME, Supplier Part Number 1=77311-818-02LF
Q1: library part PMF250XNEX, "30V 1A Single N-Channel", Manufacturer=NEXPERIA, Max Power Dissipation=0.342w, Supplier Part Number 1=771-PMF250XNEX, Grade=2, HelpURL=https://assets.nexperia.com/documents/data-sheet/PMF250XNE.pdf, Manufacturer Part Number=PMF250XNEX, Part Number=PMF250XNEX, Status=Active, Supplier 1=Mouser, Tmax=150, Tmin=-55
Q4 Q5 Q12 Q13: library part PXP6R1-30QLJ, "Low Vgs Single P-Channel", Manufacturer=NEXPERIA, Max Power Dissipation=50W, Supplier Part Number 1=771-PXP6R1-30QLJ, Grade=2, HelpURL=https://assets.nexperia.com/documents/data-sheet/PXP6R1-30QL.pdf, Manufacturer Part Number=PXP6R1-30QLJ, Part Number=PXP6R1-30QLJ, Status=Active, Supplier 1=Mouser, Tmax=150, Tmin=-55
Q6 Q7 Q8 Q9: library part BUK6D22-30EX, "Automotive N-Channel 30 V, Low Vgs Treshold", Manufacturer=NEXPERIA, Max Power Dissipation=19W, Supplier Part Number 1=771-BUK6D22-30EX, Grade=2, HelpURL=https://assets.nexperia.com/documents/data-sheet/BUK6D22-30E.pdf, Manufacturer Part Number=BUK6D22-30EX, Part Number=BUK6D22-30EX, Status=Active, Supplier 1=Mouser, Tmax=175, Tmin=-55
Q10 Q11: library part PMPB95ENEAX, "Single N-channel Trench MOSFET", Manufacturer=NEXPERIA, Max Power Dissipation=1.6W, Supplier Part Number 1=771-PMPB95ENEAX, Grade=2, HelpURL=https://assets.nexperia.com/documents/data-sheet/PMPB95ENEA.pdf, Manufacturer Part Number=PMPB95ENEAX, Part Number=PMPB95ENEAX, Status=Active, Supplier 1=Mouser, Tmax=150, Tmin=-55
R1: library part R_10k_50V_0402, Manufacturer=Vishay, Manufacturer Part Number=MCS0402PD1002DE500, RMS Power=0.2W, Supplier Part Number 1=749-1515-1-ND, Voltage=50V, Grade=2, HelpURL=https://www.vishay.com/docs/28916/mcxhp.pdf, Part Number=R_10k_50V_0402, Status=Active, Supplier 1=Digi-Key, Supplier 2=Mouser, Supplier Part Number 2=594-MCS0402PD1002DP5, TCR=25ppm, Tmax=175, Tmin=-55
R2 R3 R6 R7: library part R_4.75k_50V_0402, Manufacturer=Vishay, Manufacturer Part Number=MCS0402MD4751BE100, RMS Power=0.1W, Supplier Part Number 1=MCS0402-4.75K-MBCT-ND, Tolerance=0.1%, Voltage=50V, Grade=2, HelpURL=https://www.vishay.com/docs/28785/mcat_pre.pdf, Part Number=R_4.75k_50V_0402, Supplier 1=Digi-Key, Supplier 2=Mouser, Supplier Part Number 2=594-MCS0402MD4751BE1, TCR=25ppm, Tmax=155, Tmin=-55
R4 R5 R8 R9 R22: library part B57232V5103F360, "NTC", Manufacturer=TDK, Resistance=10k, Supplier Part Number 1=871-B57232V5103F360, Tolerance=1%, Desc=NTC, Grade=2, HelpURL=https://product.tdk.com/info/en/documents/data_sheet/50/db/ntc/NTC_SMD_Automotive_series_0402.pdf, Manufacturer Part Number=B57232V5103F360, Part Number=B57232V5103F360, Status=Active, Supplier 1=Mouser, Tmax=150, Tmin=-40
R10 R11 R12 R13: library part R_1k_50V_0402, Manufacturer=Vishay, Manufacturer Part Number=MCS0402PD1001DE500, RMS Power=0.2W, Supplier Part Number 1=749-1511-1-ND, Tolerance=0.5%, Voltage=50V, Grade=2, HelpURL=https://www.vishay.com/docs/28916/mcxhp.pdf, Part Number=R_1k_50V_0402, Status=Active, Supplier 1=Digi-Key, Supplier 2=Mouser, Supplier Part Number 2=594-MCS0402PD1001DP5, TCR=25ppm, Tmax=175, Tmin=-55
R14 R15 R18 R28 R36 R37 R40 R41 R44 R45: library part R_10R_75V_0603, Manufacturer=Vishay, Manufacturer Part Number=MCT0603PD1009DP500, RMS Power=0.25W, Supplier Part Number 1=749-1520-1-ND, Tolerance=0.5%, Voltage=75V, Grade=2, HelpURL=https://www.vishay.com/docs/28916/mcxhp.pdf, Part Number=R_10R_75V_0603, Status=Active, Supplier 1=Digi-Key, Supplier 2=Mouser, Supplier Part Number 2=594-MCT0603PD1009DP5, TCR=25ppm, Tmax=175, Tmin=-55
R19: library part R_4mR_NA_1206, Manufacturer=YAGEO, Manufacturer Part Number=PA1206FRE470R004Z, RMS Power=1W, Supplier Part Number 1=603-PA1206FRE470R04Z, Tolerance=1%, Voltage=NA, Grade=2, HelpURL=https://www.yageo.com/upload/media/product/products/datasheet/rchip/PYu-PA0100_2512_51_RoHS_2.pdf, Part Number=R_4mR_NA_1206, Status=Active, Supplier 1=Mouser, TCR=50ppm, Tmax=170, Tmin=-55
R20: library part R_20R_75V_0603, Manufacturer=Panasonic, Manufacturer Part Number=ERJ-H3EF20R0V, RMS Power=0.125W, Supplier Part Number 1=667-ERJ-H3EF20R0V, Tolerance=1%, Voltage=75V, Grade=2, HelpURL=https://industrial.panasonic.com/cdbs/www-data/pdf/RDQ0000/ast-ind-151033.pdf, Part Number=R_20R_75V_0603, Status=Active, Supplier 1=Mouser, TCR=100ppm, Tmax=175, Tmin=-55
R21: library part R_100k_50V_0402, Manufacturer=Vishay, Manufacturer Part Number=MCS0402PD1003DE500, RMS Power=0.2W, Supplier Part Number 1=749-1519-1-ND, Tolerance=0.5%, Voltage=50V, Grade=2, HelpURL=https://www.vishay.com/docs/28916/mcxhp.pdf, Part Number=R_100k_50V_0402, Status=Active, Supplier 1=Digi-Key, Supplier 2=Mouser, Supplier Part Number 2=594-MCS0402PD1003DP5, TCR=25ppm, Tmax=175, Tmin=-55
R23: library part R_4.87k_50V_0402, Manufacturer=Panasonic, Manufacturer Part Number=ERJ-2RKF4871X, RMS Power=0.1W, Supplier Part Number 1=667-ERJ-2RKF4871X, Tolerance=1%, Voltage=50V, Grade=2, HelpURL=https://industrial.panasonic.com/cdbs/www-data/pdf/RDA0000/AOA0000C304.pdf, Part Number=R_4.87k_50V_0402, Status=Active, Supplier 1=Mouser, TCR=100ppm, Tmax=155, Tmin=-55
R24: library part R_13.3k_50V_0402, Manufacturer=Panasonic, Manufacturer Part Number=ERJ-U02D1332X, RMS Power=0.1W, Supplier Part Number 1=667-ERJ-U02D1332X, Tolerance=0.5%, Voltage=50V, Grade=2, HelpURL=https://industrial.panasonic.com/cdbs/www-data/pdf/RDP0000/AOA0000C334.pdf, Part Number=R_13.3k_50V_0402, Status=Active, Supplier 1=Mouser, TCR=200ppm, Tmax=155, Tmin=-55
R25: library part R_2.32k_50V_0402, Manufacturer=Panasonic, Manufacturer Part Number=ERJ-2RKF2321X, RMS Power=0.1W, Supplier Part Number 1=667-ERJ-2RKF2321X, Tolerance=1%, Voltage=50V, Grade=2, HelpURL=https://industrial.panasonic.com/cdbs/www-data/pdf/RDA0000/AOA0000C304.pdf, Part Number=R_2.32k_50V_0402, Status=Active, Supplier 1=Mouser, TCR=100ppm, Tmax=155, Tmin=-55
R26 R27: library part R_100R_50V_0402, Manufacturer=Vishay, Manufacturer Part Number=MCS0402PD1000DE500, RMS Power=0.2W, Supplier Part Number 1=749-1509-1-ND, Tolerance=0.5%, Voltage=50V, Grade=2, HelpURL=https://www.vishay.com/docs/28916/mcxhp.pdf, Part Number=R_100R_50V_0402, Status=Active, Supplier 1=Digi-Key, Supplier 2=Mouser, Supplier Part Number 2=594-MCS0402PD1000DP5, TCR=25ppm, Tmax=175, Tmin=-55
R30 R34 R35 R38 R39 R42 R43: library part R_47k_50V_0402, Manufacturer=Vishay, Manufacturer Part Number=MCS0402MD4702BE100, RMS Power=0.1W, Supplier Part Number 1=MCS0402-47.0K-MBCT-ND, Tolerance=0.1%, Voltage=50V, Grade=2, HelpURL=https://www.vishay.com/docs/28785/mcat_pre.pdf, Part Number=R_47k_50V_0402, Status=Active, Supplier 1=Digi-Key, Supplier 2=Mouser, Supplier Part Number 2=594-MCS0402MD4702BE1, TCR=25ppm, Tmax=155, Tmin=-55
TP1 TP2 TP3 TP4 TP5 TP6 TP7 TP8 TP9 TP10: library part TestPoint1, Manufacturer="Progresja Space", Grade=3, Part Number=TestPoint1, Status=Active
U1: library part STM32F446RET6, "ARM Microcontroller, Cortex-M4 core", Manufacturer=St, Supplier Part Number 1=511-STM32F446RET6, Grade=3, HelpURL=https://www.st.com/content/ccc/resource/technical/document/datasheet/65/cb/75/50/53/d6/48/24/DM00141306.pdf/files/DM00141306.pdf/jcr:content/translations/en.DM00141306.pdf, Manufacturer Part Number=STM32F446RET6, Part Number=STM32F446RET6, Status=Active, Supplier 1=Mouser, Tmax=85, Tmin=-40
U2: library part ABM3BAIG-8.000MHZ-1Z-T, "Crystal", Frequency=8MHz, Frequency Stability="±50 ppm", Manufacturer=ABRACON, Supplier Part Number 1=815-M3BAIG-8-1ZT, Grade=2, HelpURL=https://abracon.com/AIGcrystals/ABM3BAIG.pdf, Manufacturer Part Number=ABM3BAIG-8.000MHZ-1Z-T, Part Number=ABM3BAIG-8.000MHZ-1Z-T, Status=Active, Supplier 1=Mouser, Tmax=125, Tmin=-40
U3 U10: library part UCC27423, "Dual 4-A High-Speed Low-Side MOSFET Drivers With Enable", Manufacturer=TI, Manufacturer Part Number=UCC27423QDGNRQ1, Supplier Part Number 1=595-UCC27423QDGNRQ1, Grade=2, HelpURL=https://www.ti.com/lit/ds/symlink/ucc27423-q1.pdf?HQS=dis-mous-null-mousermode-dsf-pf-null-wwe&ts=1651498832882&ref_url=https%253A%252F%252Fwww.mouser.pl%252F, Part Number=UCC27423, Status=Active, Supplier 1=Mouser, Tmax=125, Tmin=-40
U4: library part MP7200GLE-P, "Continous current Buck-Boost DC-DC Converter", Manufacturer=MPS, =Value=MP7200GLE-P, Grade=2, HelpURL=https://www.monolithicpower.com/en/documentview/productdocument/index/version/2/document_type/Datasheet/lang/en/sku/MP7200GLE/document_id/9789/, Manufacturer Part Number=MP7200GLE-P, Part Number=MP7200GLE-P, Status=Active, Supplier 2=Mouser, Supplier Part Number 2=946-MP7200GLE-P, Tmax=125, Tmin=-40
U5: library part CONN_Raspberry_Pi, "Raspberry Pi female connector", Manufacturer="TE Connectivity", Manufacturer Part Number=1-534998-0, Supplier Part Number 1=571-1534998, Grade=3, HelpURL=https://www.te.com/commerce/DocumentDelivery/DDEController?Action=showdoc&DocId=Specification+Or+Standard%7F114-25018%7FE%7Fpdf%7FEnglish%7FENG_SS_114-25018_E.pdf%7F1-534998-0, Part Number=CONN_Raspberry_Pi, Status=Active, Supplier 1=Mouser, Tmax=105, Tmin=-65
U6: library part TLV76733DRVR, "3.3V LDO Voltage Regulator", Manufacturer=TI, =Value=TLV76733DRVR, Grade=2, HelpURL=https://www.ti.com/lit/ds/symlink/tlv767.pdf?ts=1677533353578&ref_url=https%253A%252F%252Fwww.ti.com%252Fproduct%252FTLV767%252Fpart-details%252FTLV76733DRVR, Manufacturer Part Number=TLV76733DRVR, Part Number=TLV76733DRVR, Status=Active, Supplier 2=Mouser, Supplier Part Number 2=595-TLV76733DRVR, Tmax=125, Tmin=-40
U7: library part INA281B5QDBVRQ1, "Current Sense Amplifiers Automotive AEC-Q100, -4-V to 110-V, 1.3-MHz", Manufacturer=TI, Supplier Part Number 1=595-INA281B5QDBVRQ1, Grade=2, HelpURL=https://www.ti.com/lit/ds/symlink/ina281-q1.pdf?ts=1661510274550&ref_url=https%253A%252F%252Fwww.google.com%252F, Manufacturer Part Number=INA281B5QDBVRQ1, Part Number=INA281B5QDBVRQ1, Status=Active, Supplier 1=Mouser, Tmax=125, Tmin=-40

## Via types
v1: diameter 0.5, hole 0.3, Top Layer to Bottom Layer, tented both sides, 396 vias
v2: diameter 0.4, hole 0.2, Top Layer to Bottom Layer, 6 vias
v3: diameter 0.5, hole 0.3, Top Layer to Bottom Layer, 2 vias